# Altium PCB ESC_con.PcbDoc
Units mil, origin at the board's own origin, x right, y up, seen from the top; angles counter-clockwise.
Board outline 4160 x 2500 mil, 2 copper layers (Top Layer, Bottom Layer); 91 components, 105 nets, 433 pads, 134 vias.
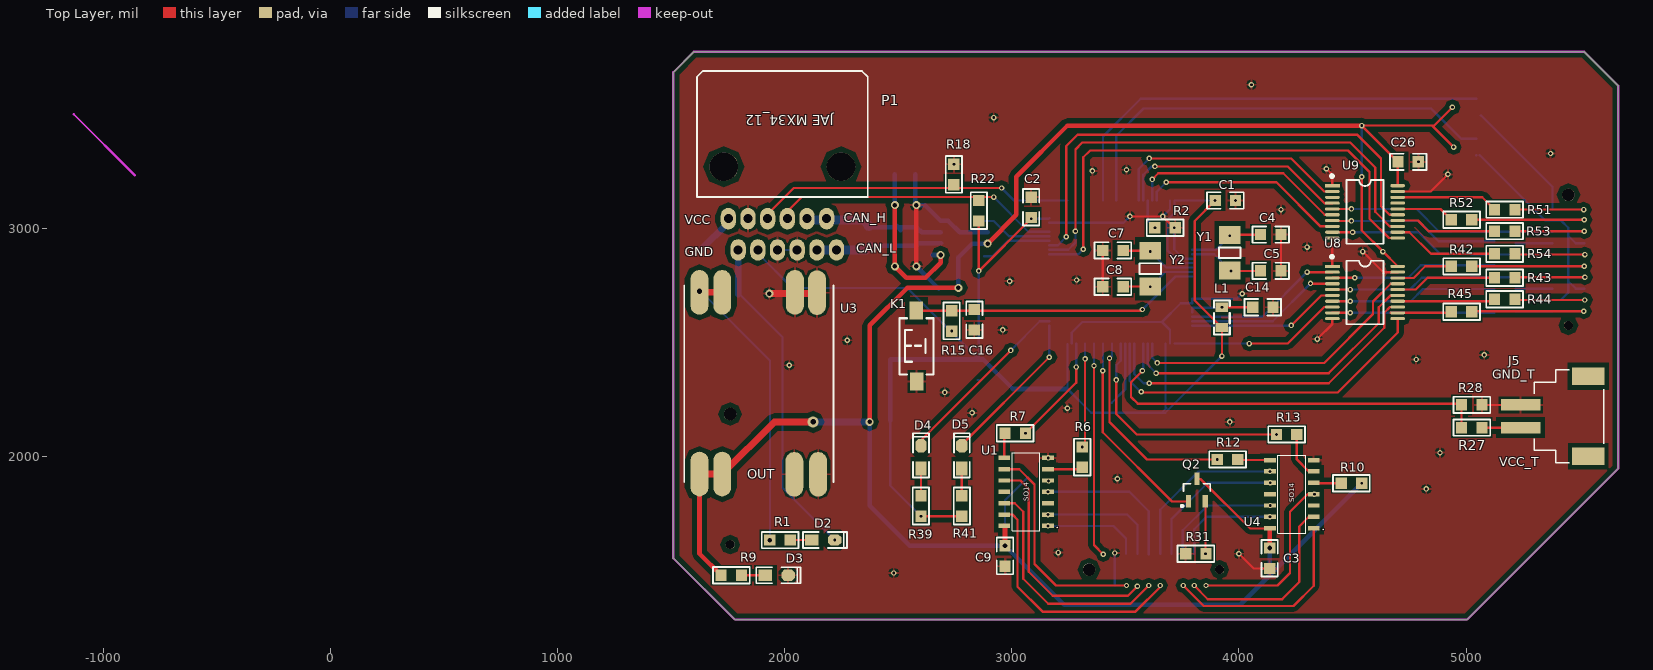
[diagram p0: Top Layer view]
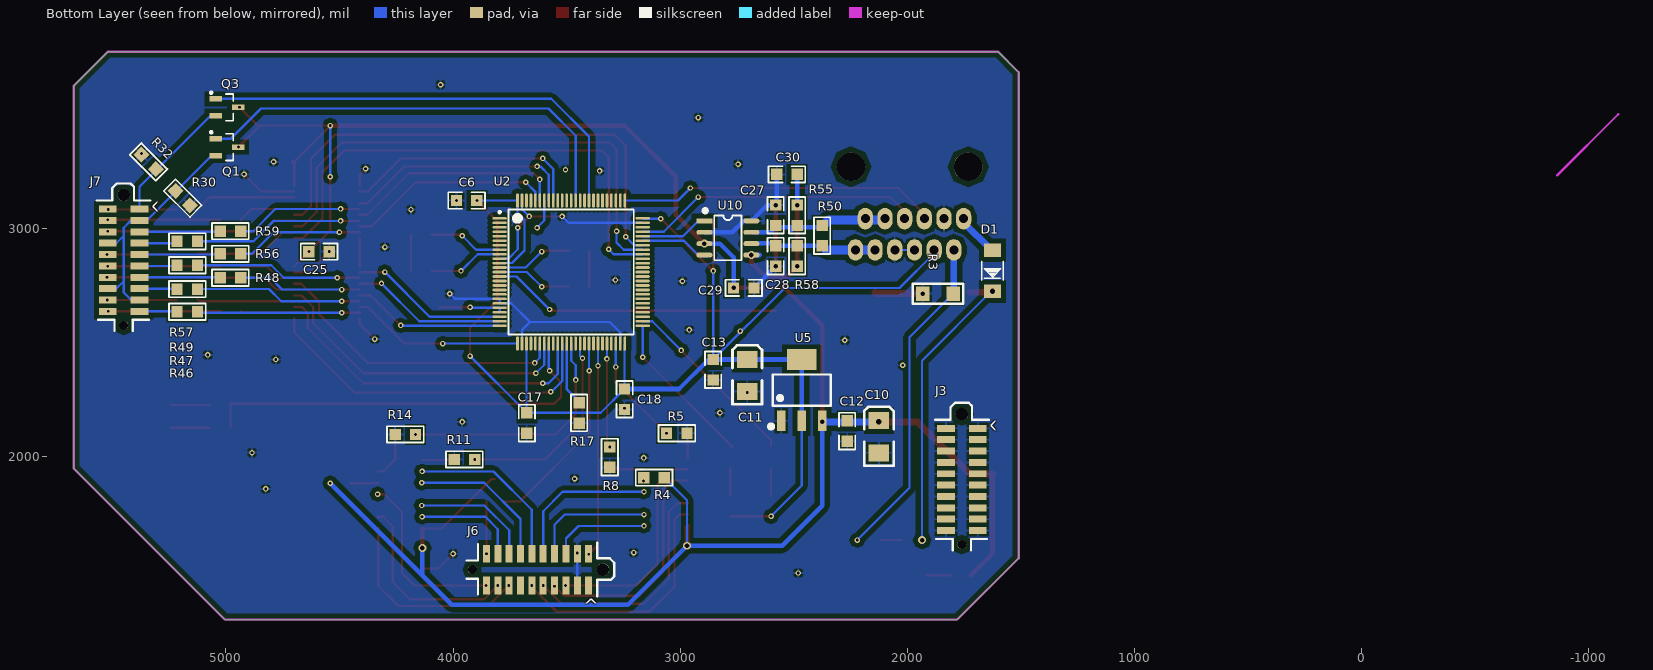
[diagram p1: Bottom Layer view, seen from below]
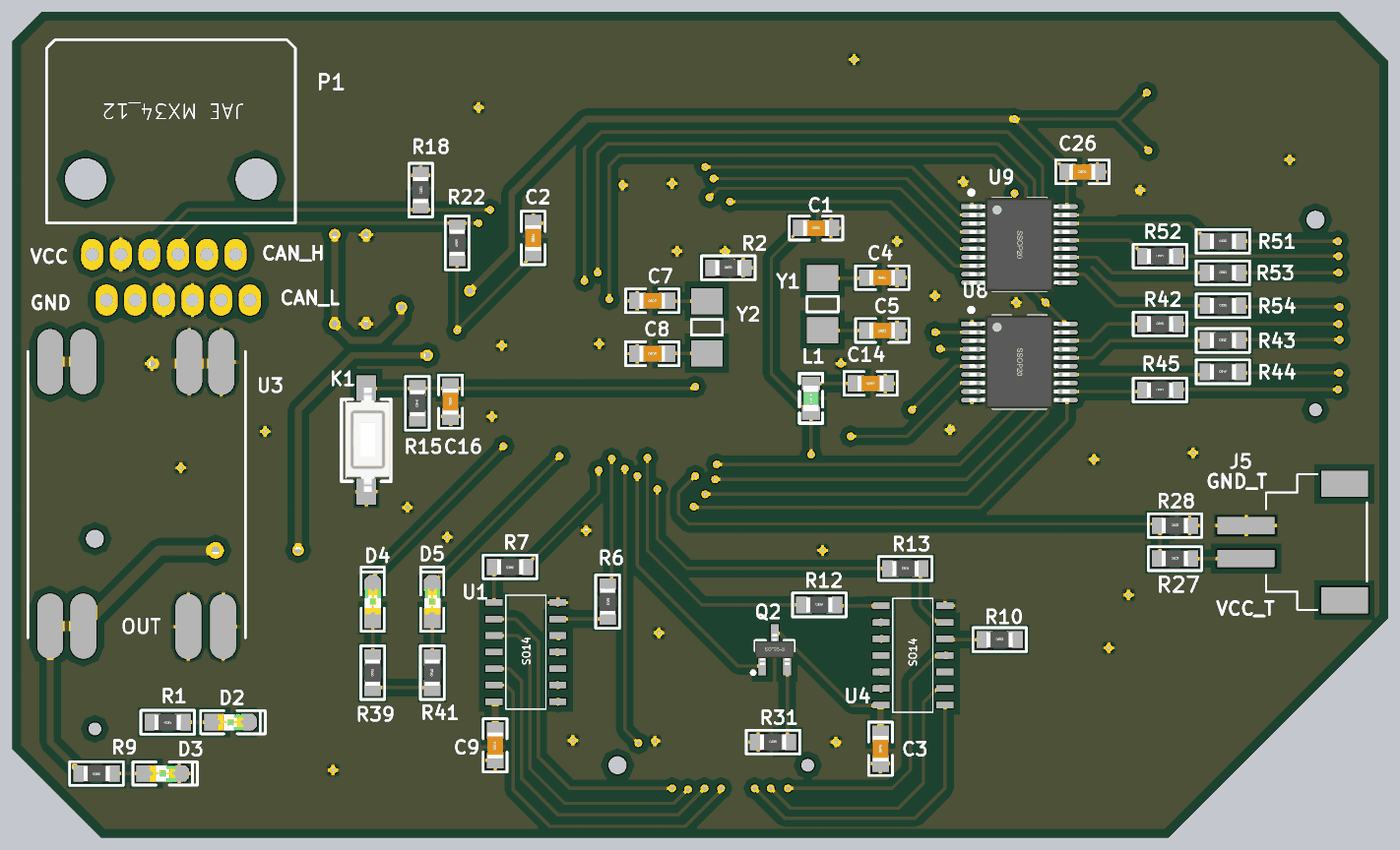
[diagram p2: 3D render of the assembled board from above, using the file's embedded part models]
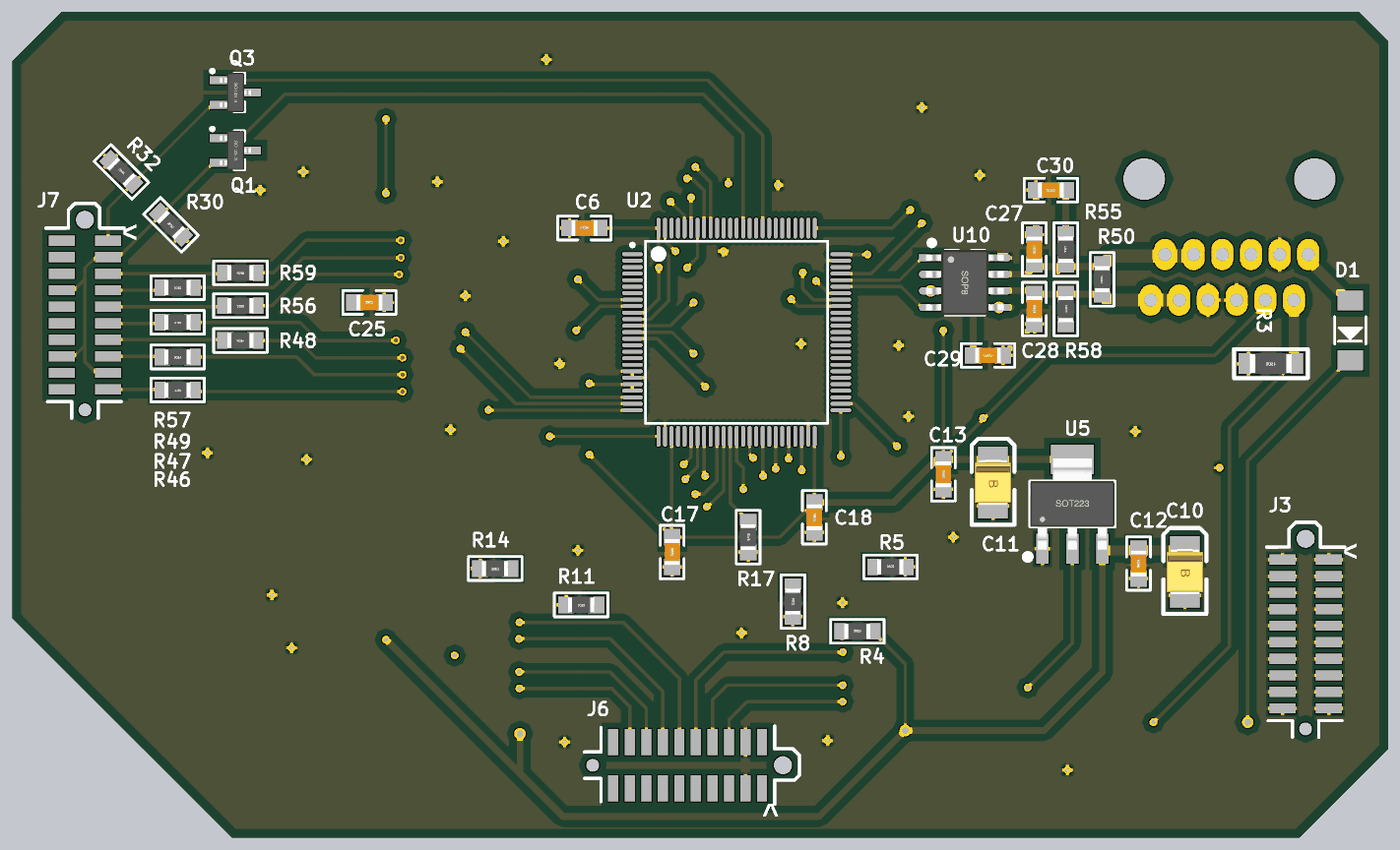
[diagram p3: 3D render of the assembled board from below, using the file's embedded part models]

## Layer stack, top to bottom
Top Layer: signal copper 1.4
Dielectric: dielectric 12.6, FR-4, Dk 4.8
Bottom Layer: signal copper 1.4

## Board outline
1510,1550 1510,3690 1600,3780 5520,3780 5670,3630 5670,1945 5005,1280 1780,1280

## Design rules (kind name [scope] priority, off if disabled: settings)
Clearance [All] p1: gap=6
HoleToHoleClearance [All] p1: gap=2 allowstackedmicrovias=TRUE
MinimumSolderMaskSliver [All] p1: minsoldermaskwidth=2
PolygonConnect [All] p1: connectstyle=Relief reliefconductorwidth=10 reliefentries=4 polygonreliefangle="90 Angle" airgapwidth=10
RoutingVias [All] p1: holewidth=28 width=50 viastyle="Through Hole" minholewidth=0 minwidth=0 maxholewidth=28 maxwidth=50
SilkToSilkClearance [All] p1: silktosilkclearance=2
SilkToSolderMaskClearance [IsPad] p1: minsilkscreentomaskgap=2 clearancetoexposedcopper=TRUE
SolderMaskExpansion [All] p1: expansion=4
Width [All] p1: maxlimit=100 minlimit=10 preferedwidth=10 minimp=50.000000 maximp=50.000000 favimp=50.000000
24 further rules are at their usual default settings.

## Components (designator, comment, footprint, x,y, rotation, side; value= is the part's Value field where it differs from the comment)
C1 "104" "C 0805" 3940,3125 r0 top
C2 "104" "C 0805" 3085,3095 r90 top
C3 "104" "C 0805" 4135,1550 r90 top
C4 "22pf" "C 0805" 4140,2975 r0 top
C5 "22pf" "C 0805" 4140,2815 r180 top
C6 "104" "C 0805" 3940,3125 r180 bottom
C7 "22pf" "C 0805" 3445,2905 r0 top
C8 "22pf" "C 0805" 3445,2745 r0 top
C9 "104" "C 0805" 2970,1560 r90 top
C10 "10uF" "CP 3528B" 2125,2085 r270 bottom
C11 "10uF" "CP 3528B" 2705,2355 r270 bottom
C12 "104" "C 0805" 2265,2110 r90 bottom
C13 "104" "C 0805" 2855,2380 r90 bottom
C14 "104" "C 0805" 4105,2655 r180 top
C16 "104" "C 0805" 2835,2600 r90 top
C17 "104" "C 0805" 3675,2145 r270 bottom
C18 "104" "C 0805" 3245,2250 r270 bottom
C25 "104" "C 0805" 4590,2900 r180 bottom
C26 "104" "C 0805" 4745,3295 r0 top
C27 "47pF" "C 0805" 2580,3060 r270 bottom
C28 "47pF" "C 0805" 2580,2880 r270 bottom
C29 "104" "C 0805" 2720,2740 r180 bottom
C30 "47nF" "C 0805" 2530,3240 r0 bottom
D1 "SS34" DO-214 1625,2815 r270 bottom
D2 "GREEN" LED_0805 2170,1630 r0 top
D3 "GREEN" LED_0805 1965,1475 r0 top
D4 "ORANGE" LED_0805 2600,1995 r90 top
D5 "ORANGE" LED_0805 2780,1995 r90 top
J3 "20P_Female" B2B_1.27_Female 1760,1610 r180 bottom
J5 "XH2.54_2P" XH2.54_2P_SMT 5240,2225 r270 top
J6 "20P_Female" B2B_1.27_Female 3915,1500 r270 bottom
J7 "20P_Female" B2B_1.27_Female 5450,2575 r180 bottom
K1 "Key" "KEY 3.6*2.5 SMD" 2580,2485 r90 top
L1 "100uH" "L 0805" 3925,2610 r90 top
P1 "JAE_MX340_12" JAE_MX34_2.2_12 2185,3045 r270 top
Q1 "Model" SOT23-3 4995,3360 r270 bottom
Q2 "Model" SOT23-3 3815,1850 r0 top
Q3 "Model" SOT23-3 4995,3535 r270 bottom
R1 "3K" "R 0805" 1980,1630 r180 top
R2 "10K" "R 0805" 3675,3005 r0 top
R3 "0" "R 1206" 1865,2715 r0 bottom
R4 "200R" "R 0805" 3115,1905 r180 bottom
R5 "3k" "R 0805" 3015,2100 r180 bottom
R6 "2k" "R 0805" 3310,1995 r270 top
R7 "2k" "R 0805" 3015,2100 r180 top
R8 "3k" "R 0805" 3310,1995 r270 bottom
R9 "3.3k" "R 0805" 1765,1475 r180 top
R10 "200R" "R 0805" 4495,1880 r0 top
R11 "3k" "R 0805" 3950,1985 r0 bottom
R12 "2k" "R 0805" 3950,1985 r0 top
R13 "2k" "R 0805" 4210,2095 r0 top
R14 "3k" "R 0805" 4210,2095 r0 bottom
R15 "10k" "R 0805" 2735,2595 r90 top
R17 "10K" "R 0805" 3445,2190 r270 bottom
R18 "10k" "R 0805" 2745,3240 r270 top
R22 "10k" "R 0805" 2855,3080 r90 top
R27 "9K" "R 0805" 5025,2125 r0 top
R28 "3K" "R 0805" 5025,2225 r0 top
R30 "10k" "R 0805" 5190,3135 r45 bottom
R31 "10k" "R 0805" 3810,1570 r0 top
R32 "10k" "R 0805" 5340,3295 r225 bottom
R39 "2K" "R 0805" 2600,1780 r90 top
R41 "2K" "R 0805" 2780,1780 r90 top
R42 "300R" "R 0805" 4980,2835 r0 top
R43 "300R" "R 0805" 5170,2785 r0 top
R44 "300R" "R 0805" 5170,2690 r0 top
R45 "300R" "R 0805" 4980,2635 r0 top
R46 "300R" "R 0805" 5170,2635 r0 bottom
R47 "300R" "R 0805" 5170,2735 r0 bottom
R48 "300R" "R 0805" 4980,2785 r0 bottom
R49 "300R" "R 0805" 5170,2840 r0 bottom
R50 "120R" "R 0805" 2375,2970 r90 bottom
R51 "300R" "R 0805" 5170,3085 r0 top
R52 "300R" "R 0805" 4980,3040 r0 top
R53 "300R" "R 0805" 5170,2990 r0 top
R54 "300R" "R 0805" 5170,2890 r0 top
R55 "1.3k" "R 0805" 2485,3060 r90 bottom
R56 "300R" "R 0805" 4980,2890 r0 bottom
R57 "300R" "R 0805" 5170,2945 r0 bottom
R58 "1.3k" "R 0805" 2485,2880 r270 bottom
R59 "300R" "R 0805" 4980,2990 r0 bottom
U1 "HC7421D" 74hc74 2935,1670 r90 top
U2 "STM32F103VET6" TQFP100N50P14X14X1.2 3480,2810 r180 bottom
U3 "DM02-XX" DM02 1885,2320 r90 top
U4 "HC7421D" 74hc74 4105,1660 r90 top
U5 "AMS1117-3.3" SOT223 2465,2290 r180 bottom
U8 "74HC244" SSOP20 4555,2720 r0 top
U9 "74HC244" SSOP20 4555,3075 r0 top
U10 "TJA1040T" SOP8 2790,2960 r180 bottom
Y1 "32.76M" XTAL-5032 3960,2895 r90 top
Y2 "8M" XTAL-5032 3610,2825 r90 top

## Footprints (in the part's own frame and the unit in brackets; to place one, negate y for a bottom-side part, rotate by r counter-clockwise, add the part's x,y. Pads: shape width x height; smd on the part's side, far side on the other; paste and mask are expansions set on the pad)
74hc74 [mm] "14脚"
  rect 0.5x1.3 smd: 1(0.565,-5.7) 2(1.835,-5.7) 3(3.105,-5.7) 4(4.375,-5.7) 5(5.645,-5.7) 6(6.915,-5.7) 7(8.185,-5.7) 8(8.185,-0.8) 9(6.915,-0.8) 10(5.645,-0.8) 11(4.375,-0.8) 12(3.105,-0.8) 13(1.835,-0.8) 14(0.565,-0.8)
  silkscreen extent 0,-4.78 8.75,-1.7
B2B_1.27_Female [mm]
  round 1 hole 1 unplated: 0(0,0)
  round 1.4 hole 1.4 unplated: 0(0,14.605)
  rect 2x0.78 smd: 1(1.778,13.005) 2(1.778,11.735) 3(1.778,10.465) 4(1.778,9.195) 5(1.778,7.925) 6(1.778,6.655) 7(1.778,5.385) 8(1.778,4.115) 9(1.778,2.845) 10(1.778,1.575) 11(-1.778,1.575) 12(-1.778,2.845) 13(-1.778,4.115) 14(-1.778,5.385) 15(-1.778,6.655) 16(-1.778,7.925) 17(-1.778,9.195) 18(-1.778,10.465) 19(-1.778,11.735) 20(-1.778,13.005)
  silkscreen extent -3,-0.64 3,15.88
"C 0805" [mil]
  rect 50x50 smd: 1(-45,0) 2(45,0)
  silkscreen extent -81,-36 81,36, body extent -39,-24 39,24, height 20
"CP 3528B" [mil]
  rect 75x90 smd: 1(-70.86,0) 2(70.87,0)
  silkscreen extent -132,-65 128,65, body extent -69,-55 69,55, height 75
DM02 [mm]
  oval 5x2 smd: 1(-10.143,6.604) 2(-10.143,4.064) 3(-10.177,-4.001) 4(-10.177,-6.667) 5(10.143,-6.54) 6(10.177,-4.064) 7(10.177,4.064) 8(10.177,6.604)
  silkscreen extent -11.03,-8.38 10.97,8.32
DO-214 [mil]
  rect 60x76.77 smd: 1(-91.03,0) 2(90.07,0)
  silkscreen extent -42,-47 41,47, body extent -84,-47 83,47, height 118
JAE_MX34_2.2_12 [mm]
  oval 2.4x1.7 hole 1: 1(3.5,-9.9) 2(3.5,-7.7) 3(3.5,-5.5) 4(3.5,-3.3) 5(3.5,-1.1) 6(3.5,1.1) 6(3.5,1.1) 7(0,-11) 8(0,-8.8) 9(0,-6.6) 10(0,-4.4) 11(0,-2.2) 12(0,0) 12(0,0)
  round 3.2 hole 3.2 unplated: 13(-5.8,1.6) 14(-5.8,-11.5)
  silkscreen extent -16.51,-14.5 -2.41,4.6
"KEY 3.6*2.5 SMD" [mm]
  rect 2x1.5 smd: 1(-3.996,-0.02) 2(3.937,0)
  silkscreen extent -3.21,-1.9 3.09,1.9, body extent -4,-1.88 4,1.62, height 2.59
"L 0805" [mil]
  rect 40x55 smd: 1(-45,0) 2(45,0)
  silkscreen extent -75,-35 75,35, body extent -39,-24 39,24, height 35
LED_0805 [mil]
  rect 60x50 smd: 1(-50,0)
  oct 60x50 smd: 2(50,0)
  silkscreen extent -90,-35 105,35, body extent -39,-25 39,25, height 32
"R 0805" [mil]
  rect 50x50 smd: 1(-45,0) 2(45,0)
  silkscreen extent -81,-36 81,36, body extent -39,-25 39,25, height 20
"R 1206" [mil]
  rect 60x62.99 smd: 1(-67.5,0) 2(67.5,0)
  silkscreen extent -111,-44 112,44, body extent -63,-31 63,31, height 22
SOP8 [mm]
  rect 1.8x0.55 smd: 1(-2.625,1.905)
  oval 1.8x0.55 smd: 2(-2.625,0.635) 3(-2.625,-0.635) 4(-2.625,-1.905) 5(2.625,-1.905) 6(2.625,-0.635) 7(2.625,0.635) 8(2.625,1.905)
  silkscreen extent -2.69,-2.5 1.52,3.2, body extent -3,-2.5 3,2.5, height 1.9
SOT23-3 [mm]
  rect 0.6x1.4 smd: 1(-0.95,-1.27) 2(0.95,-1.27) 3(0,1.244)
  silkscreen extent -1.78,-1.9 1.5,0.7, body extent -1.5,-1.2 1.5,1.2, height 1.05
SOT223 [mm]
  rect 0.95x2.3 smd: 1(-2.3,-3.429) 2(0,-3.429) 3(2.3,-3.429)
  rect 3.3x2.3 smd: 2(0,3.429)
  silkscreen extent -3.63,-4.26 3.25,1.75, body extent -3.25,-3.51 3.25,3.51, height 1.65
SSOP20 [mm]
  rect 1.65x0.35 smd: 1(-3.65,2.925)
  oval 1.65x0.35 smd: 2(-3.65,2.275) 3(-3.65,1.625) 4(-3.65,0.975) 5(-3.65,0.325) 6(-3.65,-0.325) 7(-3.65,-0.975) 8(-3.65,-1.625) 9(-3.65,-2.275) 10(-3.65,-2.925) 11(3.65,-2.925) 12(3.65,-2.275) 13(3.65,-1.625) 14(3.65,-0.975) 15(3.65,-0.325) 16(3.65,0.325) 17(3.65,0.975) 18(3.65,1.625) 19(3.65,2.275) 20(3.65,2.925)
  silkscreen extent -3.83,-3.56 2.07,4.13, body extent -3.85,-3.6 3.85,3.6, height 1.65
TQFP100N50P14X14X1.2 [mm] "TQFP, 100-Leads, Body 16.0x16.0mm (max), Pitch 0.50mm, IPC Medium Density"
  oval 1.6x0.3 smd: 1(-8,6) 2(-8,5.5) 3(-8,5) 4(-8,4.5) 5(-8,4) 6(-8,3.5) 7(-8,3) 8(-8,2.5) 9(-8,2) 10(-8,1.5) 11(-8,1) 12(-8,0.5) 13(-8,0) 14(-8,-0.5) 15(-8,-1) 16(-8,-1.5) 17(-8,-2) 18(-8,-2.5) 19(-8,-3) 20(-8,-3.5) 21(-8,-4) 22(-8,-4.5) 23(-8,-5) 24(-8,-5.5) 25(-8,-6) 51(8,-6) 52(8,-5.5) 53(8,-5) 54(8,-4.5) 55(8,-4) 56(8,-3.5) 57(8,-3) 58(8,-2.5) 59(8,-2) 60(8,-1.5) 61(8,-1) 62(8,-0.5) 63(8,0) 64(8,0.5) 65(8,1) 66(8,1.5) 67(8,2) 68(8,2.5) 69(8,3) 70(8,3.5) 71(8,4) 72(8,4.5) 73(8,5) 74(8,5.5) 75(8,6)
  oval 0.3x1.6 smd: 26(-6,-8) 27(-5.5,-8) 28(-5,-8) 29(-4.5,-8) 30(-4,-8) 31(-3.5,-8) 32(-3,-8) 33(-2.5,-8) 34(-2,-8) 35(-1.5,-8) 36(-1,-8) 37(-0.5,-8) 38(0,-8) 39(0.5,-8) 40(1,-8) 41(1.5,-8) 42(2,-8) 43(2.5,-8) 44(3,-8) 45(3.5,-8) 46(4,-8) 47(4.5,-8) 48(5,-8) 49(5.5,-8) 50(6,-8) 76(6,8) 77(5.5,8) 78(5,8) 79(4.5,8) 80(4,8) 81(3.5,8) 82(3,8) 83(2.5,8) 84(2,8) 85(1.5,8) 86(1,8) 87(0.5,8) 88(0,8) 89(-0.5,8) 90(-1,8) 91(-1.5,8) 92(-2,8) 93(-2.5,8) 94(-3,8) 95(-3.5,8) 96(-4,8) 97(-4.5,8) 98(-5,8) 99(-5.5,8) 100(-6,8)
  silkscreen extent -8.13,-7 7,7, body extent -7,-7 7,7, height 1.2
XH2.54_2P_SMT [mm]
  rect 1.3x4.4 smd mask+0.152: 1(0,0) 2(2.54,0)
  rect 2x3.6 smd mask+0.152: 3(5.74,7.554)
  rect 2x3.6 smd: 4(-3.2,7.554)
  silkscreen extent -3.94,1.52 6.48,9.27
XTAL-5032 [mm]
  rect 2x2.4 smd: 1(-2,0) 2(2,0)
  silkscreen extent -0.6,-1.2 0.6,1.2, body extent -2.6,-1.7 2.6,1.7, height 3.4

## Part data
C1 C2 C3 C4 C5 C6 C7 C8 C9 C12 C13 C14 C16 C17 C18 C25 C26 C27 C28 C29 C30: library part Cap, "无极性电容"
C10 C11: library part Cap_Pol, "极性电容"
D1: library part Diode, "二极管"
D2 D3 D4 D5: library part LED, "发光二极管"
J3 J6 J7: library part B2B_1.27_Female, "板对板连接器 母头"
K1: "按键"
L1: library part Inductor, "电感"
P1: library part JAE_MX34012NF1
Q1 Q2 Q3: library part MOSFET_N, "N沟道MOS管"
R1 R2 R3 R4 R5 R6 R7 R8 R9 R10 R11 R12 R13 R14 R15 R17 R18 R22 R27 R28 R30 R31 R32 R39 R41 R42 R43 R44 R45 R46 R47 R48 R49 R50 R51 R52 R53 R54 R55 R56 R57 R58 R59: library part Resistor, "电阻"
U2: library part STM32F103RBT6
U3: library part DM02, "开关型DC-DC变换器"
U5: library part AMS1117, "线性稳压器"
U8 U9: "CMOS工艺8通道缓冲器"
U10: "高速CAN收发器"
Y1 Y2: library part XTAL, "晶振"

## Via types
v1: diameter 24, hole 12, Top Layer to Bottom Layer, 120 vias
v2: diameter 35, hole 20, Top Layer to Bottom Layer, 12 vias
v3: diameter 50, hole 24, Top Layer to Bottom Layer, 2 vias

## Nets (pads, with @x,y where several pads share a name; then routed paths per layer and width w, separated by ;. In a path a pad name is that pad's centre, name@x,y a point inside that pad or via, vN(x,y) a via of type N, cw(c..) or ccw(c..) an arc to the next point about the centre after c; other vN are vias at no path point)
ANL_REF: C14.2 L1.2 U2.21 U2.22 | length 289.3
  Top Layer w10: v1(3925,2655) C14.2
  Bottom Layer w10: U2.22 U2.21 3920,2652.52 3920,2650 v1(3925,2655)
CAN_H: C27.2 P1.11 P1.12 R50.2 R55.1 U10.7 | length 667.1
  Bottom Layer w20: R50.2 2381.83,3008.17 2580,3008.17 2603.17,2985 U10.7 ; R55.1@2485,3010 R55.1@2500,3010 ; R55.1@2486.83,3018.17 2510,2995
  Bottom Layer w40: P1.11@2098.39,3060 2118.39,3040 2345,3040 2370,3015 R50.2@2370,3010
CAN_IN_L: C28.1 P1.5 P1.6 R50.1 R58.1 U10.6 | length 558.8
  Bottom Layer w20: R50.1 R58.1 C28.1 2591.67,2936.67 U10.6@2688.33,2936.67
  Bottom Layer w40: P1.5@2136.69,2907.2 P1.5 P1.6@2223.31,2907.2 ; P1.6@2228.31,2907.2 2357.2,2907.2 R50.1
CAN_RX: U2.70 U10.4 | length 314.8
  Bottom Layer w10: U10.4@2878.35,2880 2915,2880 2982.8,2947.8 U2.70
CAN_TX: U2.71 U10.1 | length 313
  Bottom Layer w10: U10.1@2880,3035 2920,3035 2987.52,2967.48 U2.71
DR1_STA: R11.1 R12.1 U2.40 | length 892.8
  Top Layer w10: v1(3430,2430) 3430,2150 3595,1985 v1(3905,1985)
  Bottom Layer w10: v1(3430,2430) 3440.63,2440.63 U2.40
DR2_STA: R6.1 R8.1 U2.46 | length 460.2
  Top Layer w10: v1(3310,2040) 3322.52,2052.52 v1(3322.52,2427.48)
  Bottom Layer w10: v1(3322.52,2427.48) U2.46
DR3_STA: R13.1 R14.1 U2.38 | length 1060.6
  Top Layer w10: v1(3460,2335) 3460,2185 3550,2095 v1(4165,2095)
  Bottom Layer w10: v1(3460,2335) 3460,2400 3480,2420 U2.38
DR4_STA: R5.1 R7.1 U2.48 | length 487.5
  Top Layer w10: v1(3060,2100) 3283.15,2323.15 v1(3283.15,2391.85)
  Bottom Layer w10: v1(3283.15,2391.85) U2.48
GND: D2.2 P1.1 R3.1 | length 1454.5
  Bottom Layer w10: R3.1 1990,2522.5 1990,1860 v1(2220,1630)
  Bottom Layer w30: R3.1@1795.24,2712.74 P1.1
GND_D: C1.2 C2.2 C3.1 C4.2 C5.1 C6.1 C7.1 C8.1 C9.1 C10.2 C11.2 C12.1 C13.1 C14.1 C16.1 C17.2 C18.2 C25.2 C26.2 C27.1 C28.2 C29.2 C30.2 D3.2 J3.1 J3.2 J3.3 J3.4 J3.5 J3.6 J3.7 J3.8 J3.9 J3.10 J3.11 J3.12 J3.13 J3.14 J3.15 J3.16 J3.17 J3.18 J3.19 J3.20 J5.1 J6.2 J6.19 K1.1 P1.3 P1.4 P1.8 R2.2 R3.2 R5.2 R8.2 R11.2 R14.2 R17.2 R18.1 R28.2 R30.1 R31.1 R32.1 U1.7 U2.10 U2.19 U2.20 U2.27 U2.49 U2.74 U2.99 U3.3 U3.4 U3.5 U3.6 U4.7 U5.1 U8.1 U8.10 U8.19 U9.1 U9.10 U9.19 U10.2 U10.8 | length 4645.1
  Top Layer w10: U1.7 v1(3160,1991.65) ; C8.1 C7.1 ; v1(3520,3055) v1(3665,3055) ; v1@3660,3055 v1(3665,3055) ; R2.2@3710,3005 3710,3010 v1(3665,3055) ; v1(4000,1570) 4065,1505 C3.1 ; C5.1 C4.2 ; v1(4345,2515) 4411.3,2581.3 U8.10 ; v1(4385,3265) 4411.3,3238.7 U9.1 ; U8.1 U9.10 ; v1(4545,2900) 4635.43,2809.57 U8.19 ; U9.19 4844.57,3164.57 v1(4920,3240) ; R28.2 J5.1
  Top Layer w20: v2(2580,2835) v2(2580,3105)
  Top Layer w30: v2(1932.5,2715) 2138.18,2715 U3.5
  Bottom Layer w10: P1.3 P1.4 ; v1(2705,2280) C11.2 ; C13.1@2850,2335 C13.1 ; U2.74 3491.54,3026.54 v1(3520,3055) ; C18.2 v1(3245,2210) ; U2.49 3263.46,2543.46 3310,2590 3661.54,2590 ; J6.2 J6.19 v1(3453,1573) ; v1(3665,3055) 3696.54,3086.54 U2.99 ; U2.27 3696.54,2555 3661.54,2590 ; v1(3715,3005) 3715,2910 3755.94,2869.06 U2.10 ; v1(4015,2715) 3991.89,2691.89 U2.19 U2.20 3743.74,2672.2 3661.54,2590 ; R32.1 v1(5371.82,3331.82)
  Bottom Layer w20: C30.2 2575,3110 v2(2580,3105) 2616.65,3105 U10.8 2720,3035 2770,2985 U10.2 ; v2(2580,2835) C29.2@2677.5,2737.5
  other v1: 2480,1485 3205,1575 4825,1855 3465,1900 4885,2015 3960,2150 2825,2190 2020,2400 4780,2425 5080,2445 2275,2510 2960,2555 2990,2770 3285,2775 4300,2920 4185,3085 3985,3125 3355,3255 3505,3260 2745,3285 4790,3295 2920,3490 4055,3635
L9348: J7.2 J7.9 J7.13 J7.17 Q1.2 R30.2 | length 1061.7
  Bottom Layer w10: Q1.2 Q1.2@5045,3325 ; Q1.2@5058.8,3323.8 5061.2,3323.8 5348,3037 J7.2 5418,3037 5450,3005 5450,2770 ; J7.9 5417,2687 5450,2720 5450,2770 ; 5450,2970 5483,2937 J7.17 ; J7.13 5483,2737 5450,2770
L9348_EN: Q1.1 U2.87 | length 1974.5
  Bottom Layer w10: U2.87 3460.31,3410.31 3580,3530 4845,3530 4977.6,3397.4 Q1.1
LBI: U2.25 U8.6 | length 669.9
  Top Layer w10: v1(4230,2575) 4362.21,2707.21 U8.6
  Bottom Layer w10: U2.25 v1@4228.78,2573.78
LBI_PWM: J7.12 R44.2 | length 306
  Top Layer w10: R44.2@5218,2687 v1(5522,2687)
  Bottom Layer w10: J7.12 v1(5522,2687)
LBI_STA: J6.6 U1.13 | length 1088
  Top Layer w10: U1.13 3002.76,1742.24 3025,1720 3025,1425 3135,1315 3545,1315 3653,1423 v1(3653,1430)
LBO: U2.35 U8.13 | length 1488.3
  Top Layer w10: v1(3605,2320) 4395,2320 4640,2565 4640,2630 ; 4639.51,2630.49 4665.05,2656.03 U8.13
  Bottom Layer w10: U2.35 3539.05,2360.95 3580,2320 v1(3605,2320)
LBO_PWM: J7.8 R47.2 | length 162
  Bottom Layer w10: R47.2@5218,2737 J7.8
LBO_STA: J6.16 U1.4 | length 667.9
  Bottom Layer w10: v1(3159.41,1842.24) 3517.76,1842.24 3603,1757 J6.16 J6.16@3603,1568
LED1: D4.2 U2.52 | length 806.9
  Top Layer w10: D4.2 2600,2070 v1(2995,2465)
  Bottom Layer w10: v1(2995,2465) 3123.46,2593.46 U2.52
LED2: D5.2 U2.51 | length 702.4
  Top Layer w10: D5.2@2770,2040 v1(3165,2435) ; D5.2 D5.2@2780,2050
  Bottom Layer w10: v1(3165,2435) U2.51
LFI: U2.95 U9.6 | length 973.3
  Top Layer w10: v1(3617.8,3217.8) 3645,3245 4195,3245 4377.79,3062.21 U9.6
  Bottom Layer w10: U2.95 v1(3617.8,3217.8)
LFI_PWM: J7.18 R53.2 | length 308
  Top Layer w10: R53.2 v1(5520,2990)
  Bottom Layer w10: J7.18 v1(5520,2990)
LFI_STA: J6.10 U4.4 | length 804
  Top Layer w10: v1(3855,1430) 4170,1430 4225,1485 4225,1755 4302.24,1832.24 U4.4 v1(4332.24,1832.24)
  Bottom Layer w10: J6.10 v1(3855,1430)
LFO: U2.69 U9.15 | length 2238.8
  Top Layer w10: v1(3240,2965) 3240,3365 3290,3415 4520,3415 4625,3310 4625,3100 4662.79,3062.21 U9.15
  Bottom Layer w10: U2.69 3203.11,2928.11 v1(3240,2965)
LFO_PWM: J7.5 R56.2 | length 357
  Bottom Layer w10: R56.2@5023,2887 J7.5
LFO_STA: J6.12 U4.13 | length 464
  Bottom Layer w10: J6.12 3803,1678 3857.24,1732.24 v1(4136.5,1732.24)
LSTB1: U2.67 U9.11 | length 2239.5
  Top Layer w10: v1(3315,2910) 3315,3315 3345,3345 4480,3345 4575,3250 4575,3045 4660.15,2959.85 U9.11
  Bottom Layer w10: U2.67 3293.74,2888.74 v1(3315,2910)
LSTB1_PWM: J7.3 R59.2 | length 358
  Bottom Layer w10: R59.2@5022,2987 J7.3
LSTB1_STA: J6.13 U4.12 | length 533.2
  Top Layer w10: U4.12 v1(4137.24,1782.24)
  Bottom Layer w10: J6.13 3753,1673 3862.24,1782.24 v1(4137.24,1782.24)
LSTB2: U2.31 U8.17 | length 1329.8
  Top Layer w10: v1(3640,2410) 4375,2410 4590,2625 4590,2680.64 4667.75,2758.39 U8.17
  Bottom Layer w10: U2.31 3617.8,2432.2 v1(3640,2410)
LSTB2_PWM: J7.6 R49.2 | length 163
  Bottom Layer w10: R49.2@5217,2837 J7.6
LSTB2_STA: J6.14 U4.10 | length 655
  Top Layer w10: U4.10 v1(4137.76,1882.24)
  Bottom Layer w10: J6.14 3703,1723 3862.24,1882.24 v1(4137.76,1882.24)
LTC: U2.93 U9.4 | length 1028.4
  Top Layer w10: v1(3630,3275) 4215,3275 4376.61,3113.39 U9.4
  Bottom Layer w10: U2.93 3578.43,3238.43 3615,3275 v1(3630,3275)
LTC_PWM: J7.19 R52.2 | length 498
  Top Layer w10: R52.2 v1(5520,3040)
  Bottom Layer w10: J7.19 v1(5520,3040)
LTC_STA: J6.9 U4.2 | length 844.8
  Top Layer w10: v1(3803,1430) 3863,1370 4190,1370 4265,1445 4265,1690 4307.24,1732.24 U4.2
NetC4_1: C4.1 U2.8 Y1.2 | length 326.1
  Top Layer w10: Y1.2 4093.74,2973.74 C4.1
  Bottom Layer w10: U2.8 3898.43,2908.43 v1(3960,2970)
NetC5_2: C5.2 U2.9 Y1.1 | length 336.1
  Top Layer w10: Y1.1 3961.26,2815 v1(3965,2815) C5.2
  Bottom Layer w10: U2.9 3891.26,2888.74 v1(3965,2815)
NetC7_2: C7.2 U2.12 Y2.2 | length 334.1
  Top Layer w10: C7.2@3490,2903.74 Y2.2
  Bottom Layer w10: v1(3610,2900) 3680.32,2829.68 U2.12
NetC8_2: C8.2 U2.13 Y2.1 | length 331.9
  Top Layer w10: C8.2@3490,2746.26 Y2.1
  Bottom Layer w10: v1(3610,2745) 3675,2810 U2.13
NetC30_1: C30.1 R55.2 R58.2 U10.5 | length 725
  Top Layer w20: v2(2485,3105) v2(2485,2835) 2535,2785 2620,2785 2686.65,2851.65 v2(2686.65,2885)
  Bottom Layer w20: v2(2485,3105) C30.1 ; 2650,2885 v2(2686.65,2885)
NetD2_1: D2.1 R1.1 | length 95
  Top Layer w10: R1.1 D2.1
NetD3_1: D3.1 R9.1 | length 105
  Top Layer w10: R9.1 D3.1
NetD4_1: D4.1 R39.2 | length 120
  Top Layer w10: R39.2 D4.1
NetD5_1: D5.1 R41.2 | length 115
  Top Layer w10: R41.2@2780,1830 D5.1
NetR2_1: R2.1 U2.94 | length 131.1
  Bottom Layer w10: U2.94 3598.11,3036.89 3625,3010 v1@3630,3010
  other v1: 3630,3005
NetR4_1: R4.1 U1.5 | length 3.2
  Top Layer w10: U1.5 v1(3161.65,1890)
NetR6_2: R6.2 U1.6 | length 160.6
  Top Layer w10: U1.6 R6.2@3320,1942.24
NetR7_2: R7.2 U1.8 | length 109.2
  Top Layer w10: U1.8 2966.5,2096.5 R7.2
NetR10_1: R10.1 U4.5 | length 121.5
  Top Layer w10: U4.5 4331.65,1880 R10.1
NetR12_2: R12.2 U4.8 | length 142.6
  Top Layer w10: R12.2 3997.76,1982.24 U4.8
NetR13_2: R13.2 U4.6 | length 206.3
  Top Layer w10: R13.2 4255,1985 4307.76,1932.24 U4.6
NetR17_1: R17.1 U2.37 | length 285.2
  Bottom Layer w10: R17.1@3440,2235 3500,2295 ; 3499.68,2294.68 U2.37
NetR42_1: R42.1 U8.18 | length 257.4
  Top Layer w10: U8.18 4768.98,2783.98 4820,2835 R42.1
NetR43_1: R43.1 U8.16 | length 447.9
  Top Layer w10: U8.16 4777.8,2732.8 4830,2785 R43.1
NetR44_1: R44.1 U8.14 | length 429.8
  Top Layer w10: U8.14 5116.62,2681.62 R44.1
NetR45_1: R45.1 U8.12 | length 269.1
  Top Layer w10: U8.12@4667.75,2630.44 U8.12 4925.44,2630.44 4930,2635 R45.1
NetR46_1: R46.1 U8.9 | length 713.7
  Top Layer w10: U8.9 v1(4490,2630.44)
  Bottom Layer w10: v1(4490,2630.44) R46.1@5125,2630.44
NetR47_1: R47.1 U8.7 | length 738.1
  Top Layer w10: U8.7@4412.92,2680 U8.7 v1(4490,2681.62)
  Bottom Layer w10: v1(4490,2681.62) 4756.62,2681.62 4810,2735 R47.1
NetR48_1: R48.1 U8.5 | length 548.4
  Top Layer w10: U8.5@4413.5,2735 U8.5 v1(4490,2732.8)
  Bottom Layer w10: v1(4490,2732.8) 4752.8,2732.8 4805,2785 R48.1
NetR49_1: R49.1 U8.3 | length 736.9
  Top Layer w10: U8.3 4412.32,2785 v1(4510,2785)
  Bottom Layer w10: v1(4510,2785) 4745,2785 4800,2840 R49.1
NetR51_1: R51.1 U9.18 | length 448.7
  Top Layer w10: U9.18 5071.02,3138.98 R51.1
NetR52_1: R52.1 U9.16 | length 256.1
  Top Layer w10: U9.16 4887.2,3087.8 R52.1
NetR53_1: R53.1 U9.14 | length 445.6
  Top Layer w10: U9.14 4788.38,3036.62 4835,2990 R53.1
NetR54_1: R54.1 U9.12 | length 465.8
  Top Layer w10: U9.12 4749.56,2985.44 4845,2890 R54.1
NetR56_1: R56.1 U9.9 | length 563.2
  Top Layer w10: U9.9 4411.74,2985 v1(4500,2985)
  Bottom Layer w10: v1(4500,2985) 4790,2985 4885,2890 R56.1
NetR57_1: R57.1 U9.7 | length 751.6
  Top Layer w10: U9.7 4412.92,3035 v1(4495,3035)
  Bottom Layer w10: v1(4495,3035) 4790,3035 4880,2945 R57.1
NetR59_1: R59.1 U9.5 | length 564.2
  Top Layer w10: U9.5 v1(4495,3087.8)
  Bottom Layer w10: v1(4495,3087.8) 4782.2,3087.8 4880,2990 R59.1
PUMP: U2.92 U9.2 | length 1070.7
  Top Layer w10: v1(3605,3310) 4230,3310 4375.43,3164.57 U9.2
  Bottom Layer w10: U2.92 3558.74,3263.74 v1(3605,3310)
PUMP_EN: J7.1 Q3.2 R32.2 | length 544.2
  Bottom Layer w10: Q3.2@5063.8,3498.8 5066.2,3498.8 5380,3185 J7.1
PUMP_PWM: J7.20 R51.2 | length 305.8
  Top Layer w10: R51.2 v1(5518,3085)
  Bottom Layer w10: v1(5518,3085) J7.20
RBI: U2.96 U9.8 | length 909.3
  Top Layer w10: v1(3680,3205) 4165,3205 4358.97,3011.03 U9.8
  Bottom Layer w10: U2.96 3637.48,3162.48 v1(3680,3205)
RBI_PWM: J7.16 R54.2 | length 309
  Top Layer w10: R54.2@5217,2887 v1(5523,2887)
  Bottom Layer w10: J7.16 v1(5523,2887)
RBI_STA: J6.8 U4.1 | length 903.6
  Top Layer w10: v1(3755,1430) 3845,1340 4240,1340 4329.41,1429.41 U4.1
  Bottom Layer w10: J6.8 v1(3755,1430)
RBO: U2.68 U9.13 | length 2236.2
  Top Layer w10: v1(3280,2990) 3280,3350 3310,3380 4490,3380 4600,3270 4600,3075 4663.97,3011.03 U9.13
  Bottom Layer w10: U2.68 3248.43,2908.43 3280,2940 v1(3280,2990)
RBO_PWM: J7.4 R57.2 | length 162
  Bottom Layer w10: R57.2@5218,2937 J7.4
RBO_STA: J6.15 U4.9 | length 749.8
  Top Layer w10: U4.9@4134.25,1930 v1(4136.5,1932.24)
  Bottom Layer w10: J6.15 3653,1763 3822.24,1932.24 v1(4136.5,1932.24)
RESET: C16.2 K1.2 R15.2 U2.14 | length 1277.2
  Top Layer w10: K1.2 3570,2640 v1(3575,2645)
  Bottom Layer w10: v1(3575,2645) 3720.31,2790.31 U2.14
RFI: U2.24 U8.4 | length 686
  Top Layer w10: v1(4315,2760) 4316.61,2758.39 U8.4
  Bottom Layer w10: U2.24 4148.46,2593.46 v1(4315,2760)
RFI_PWM: J7.14 R43.2 | length 309
  Top Layer w10: R43.2@5217,2787 v1(5523,2787)
  Bottom Layer w10: J7.14 v1(5523,2787)
RFI_STA: J6.3 U1.9 | length 957.7
  Top Layer w10: U1.9 3032.76,1942.24 3100,1875 3100,1525 3195,1430 v1(3505,1430)
  Bottom Layer w10: J6.3 v1(3505,1430)
RFO: U2.26 U8.8 | length 761.8
  Top Layer w10: v1(4045,2495) 4215,2495 4376.03,2656.03 U8.8
  Bottom Layer w10: U2.26 4024.96,2495.04 4025,2495 v1(4045,2495)
RFO_PWM: J7.11 R45.2 | length 497
  Top Layer w10: R45.2@5023,2637 v1(5518,2637)
  Bottom Layer w10: v1(5518,2637) J7.11
RFO_STA: J6.5 U1.12 | length 1025.6
  Top Layer w10: U1.12 3012.76,1792.24 3050,1755 3050,1460 3160,1350 3523,1350 v1(3603,1430)
RSTB1: U2.32 U8.15 | length 1393.8
  Top Layer w10: v1(3635,2365) 4395,2365 4615,2585 4615,2655 4667.21,2707.21 U8.15
  Bottom Layer w10: U2.32 3598.11,2401.89 3631.56,2368.44 v1@3631.56,2361.56
RSTB1_PWM: J7.7 R48.2 | length 357
  Bottom Layer w10: R48.2@5023,2787 J7.7
RSTB1_STA: J6.17 U1.2 | length 539.3
  Bottom Layer w10: v1(3159.41,1742.24) 3507.76,1742.24 3553,1697 J6.17
RSTB2: U2.36 U8.11 | length 1540.1
  Top Layer w10: v1(3570,2282.5) 3570,2280 4435,2280 4698.7,2543.7 U8.11
  Bottom Layer w10: U2.36 3519.37,2330.63 3570,2280 v1(3570,2282.5)
RSTB2_PWM: J7.10 R46.2 | length 162
  Bottom Layer w10: R46.2@5218,2637 J7.10
RSTB2_STA: J6.18 U1.1 | length 433.5
  Bottom Layer w10: v1(3159.41,1692.24) 3447.76,1692.24 3503,1637 J6.18
RTC: U2.23 U8.2 | length 697.9
  Top Layer w10: v1@4300,2809.57 U8.2
  Bottom Layer w10: U2.23 4103.15,2613.15 v1(4300,2810)
RTC_PWM: J7.15 R42.2 | length 497
  Top Layer w10: R42.2 v1(5520,2835)
  Bottom Layer w10: v1(5520,2835) J7.15
RTC_STA: J6.4 U1.10 | length 1030.8
  Top Layer w10: U1.10 3037.76,1892.24 3075,1855 3075,1490 3180,1385 3511,1385 v1(3553,1427)
  Bottom Layer w10: v1(3553,1427) J6.4
SERVO_EN: Q3.1 U2.84 | length 1993.9
  Bottom Layer w10: U2.84 3401.26,3406.26 3567.4,3572.4 Q3.1
SWCLK: P1.9 R18.2 U2.76 | length 1409.1
  Top Layer w10: P1.9 1925.16,3065.16 2040,3180 v1(2955,3180)
  Bottom Layer w10: v1(2955,3180) 3010.04,3124.96 U2.76
SWIO: P1.10 R22.2 U2.72 | length 1274.5
  Top Layer w10: P1.10 2011.77,3076.77 2075,3140 v1(2920,3140)
  Bottom Layer w10: v1(2920,3140) 3072.83,2987.17 U2.72
VALVE_EN: Q2.1 U2.42 | length 894.5
  Top Layer w10: v1(3400,2375) 3400,2105 3705,1800 Q2.1
  Bottom Layer w10: v1(3400,2375) 3401.26,2376.26 U2.42
VALVES+: J6.20 U2.44 | length 950.7
  Top Layer w10: v1@3360,2395 v1(3361.89,2396.89) 3361.89,1608.11 v1(3403,1567)
  Bottom Layer w10: v1(3361.89,2396.89) U2.44 ; v1(3403,1567) J6.20
VALVES_EN: J6.11 Q2.2 R31.2 | length 230.2
  Top Layer w10: Q2.2 3853,1799.4 v1(3853,1570)
VCC: D1.2 R1.2 U3.7 U3.8 | length 1331.3
  Top Layer w30: U3.8 U3.7
  Bottom Layer w10: v3(1625,2724.93) 1630.07,2724.93 1935,2420 v2@1935,1625
  other v2: 1935,1630
VCC_3V3: C1.1 C2.1 C6.2 C11.1 C13.2 C17.1 C18.1 L1.1 P1.2 R15.1 R22.1 R39.1 R41.1 U2.11 U2.28 U2.50 U2.75 U2.100 U5.2 | length 6603.7
  Top Layer w10: R39.1@2605,1735 R41.1 ; R22.1@2850,3035 2855,3030 v1(2855,2815) v1(3085,3045) ; v1(3895,3125) 3805,3035 3805,2685 L1.1 v1(3925,2440)
  Bottom Layer w10: P1.2 1881.85,2893.15 2035,2740 2540,2740 C13.2 v1(2855,2815) ; U5.2@2465,2155 2465,1870 v1(2600,1735) ; v1(3085,3045) 3163.82,3045 U2.75 ; U2.50@3245,2491.6 C18.1 3350,2190 C17.1@3660,2190 ; U2.28 3676.85,2213.15 3680,2210 C17.1@3660,2190 ; U2.11 3740.63,2849.37 3685,2905 3685,3040 3716.22,3071.22 U2.100 v1(3895,3125) v1(3895,3125) ; v1(3925,2440) C17.1 C17.1@3660,2190
  Bottom Layer w20: U5.2@2465,2155 2465,2425 C13.2 2875,2425 3005,2295 C18.1@3240,2295
  other v1: 2735,2550
VCC_5V: C3.2 C9.2 C10.1 C12.2 C25.1 C26.1 C29.1 Q1.3 Q2.3 Q3.3 R4.2 R9.2 R10.2 U1.14 U3.1 U3.2 U4.14 U5.3 U8.20 U9.20 U10.3 | length 10046.6
  Top Layer w10: Q2.3 3831.03,1898.97 4049.25,1680.75 U4.14@4135,1680.75 ; v1(4540,3230) 4540,2993.86 v1(4633.86,2900) U8.20 ; U9.20 4698.7,3288.7 C26.1@4702.5,3292.5 ; C26.1 v1(4540,3455) 4850,3455 ; v1(4940,3535) 4860,3455 4850,3455 ; v1(4945,3360) 4850,3455
  Top Layer w20: U3.1 1625,1570 R9.2 ; v2(2374.45,2150.55) 2375,2150 2375,2575 2540,2740 v2(2765,2740) ; v2(2893.35,2935) 3020,3061.65 3020,3230 3245,3455 v1(4540,3455) ; U1.14 2970,1688.74 v2(2970,1605) ; v2(4135,1595) U4.14@4135,1680.75 ; C26.1 C26.1@4702.5,3292.5
  Top Layer w30: U3.1 U3.2 1954.31,2150 v3(2125,2150)
  Bottom Layer w10: v2(2970,1605) 2970,1805 R4.2 ; v1(4540,3230) v1(4540,3455)
  Bottom Layer w20: U5.3 v2(2374.45,2150.55) 2374.45,1780.55 2550,1605 v2(2970,1605) 3230,1345 4005,1345 4135,1475 ; v2(2765,2740) 2765,2875 2825,2935 v2(2893.35,2935) ; v2(4135,1595) 4135,1475 ; v1(4540,1880) 4135,1475
  Bottom Layer w30: C10.1@2130,2155 v3(2125,2150) 2369.45,2150 U5.3
VCC_24V: D1.1 P1.7 | length 189.5
  Bottom Layer w30: D1.1@1630,2906.03 1751.93,3027.96 P1.7
VCC_ADC: R27.1 R28.1 U2.33 | length 1824.6
  Top Layer w10: v1(3575,2375) 3525,2325 3525,2260 3555,2230 R28.1@4980,2230 ; R27.1 R28.1
  Bottom Layer w10: v1(3575,2375) 3578.43,2378.43 U2.33
VCC_T: J5.2 R27.2 | length 170
  Top Layer w10: R27.2 J5.2
pads on no net: J3.0 J5.3 J5.4 J6.0 J6.1 J6.7 J7.0 P1.13 P1.14 U1.3 U1.11 U2.1 U2.2 U2.3 U2.4 U2.5 U2.6 U2.7 U2.15 U2.16 U2.17 U2.18 U2.29 U2.30 U2.34 U2.39 U2.41 U2.43 U2.45 U2.47 U2.53 U2.54 U2.55 U2.56 U2.57 U2.58 U2.59 U2.60 U2.61 U2.62 U2.63 U2.64 U2.65 U2.66 U2.73 U2.77 U2.78 U2.79 U2.80 U2.81 U2.82 U2.83 U2.85 U2.86 U2.88 U2.89 U2.90 U2.91 U2.97 U2.98 U4.3 U4.11 U9.3 U9.17

## Polygon pours and split planes (outlines as drawn)
GND_D on Top Layer "Top Layer-No Net" (solid, remove dead copper, pour order 2): 1243.3,4288.56 1343.3,4188.56 6723.3,4188.56 6723.3,403.56 6323.3,3.56 6208.3,118.56 413.3,118.56
GND_D on Bottom Layer "Top Layer-No Net" (solid, remove dead copper, pour order 4): 2012.6,477.4 7152.6,477.4 7507.6,832.4 6957.6,1382.4 6957.6,4632.4 817.6,4632.4 797.6,4652.4 662.6,4517.4 662.6,647.4

## Keep-outs
Keep-Out Layer:
  lines w10: -1130,3505 -860,3235 ; 1510,1550 1780,1280 5005,1280 5670,1945 5670,3630 5520,3780 1600,3780 1510,3690 1510,1550

## Silkscreen, mask and mechanical layers (free items; w line width, h text height)
Top Overlay:
  text "CAN_H" at 2260,3030 h40
  text "VCC" at 1560,3020 h40
  text "CAN_L" at 2315,2895 h40
  text "GND" at 1560,2880 h40
  text "GND_T" at 5115,2340 h40
  text "VCC_T" at 5145,1955 h40

## Dimensions
1780,1280 to 1570,3780 on Keep-Out Layer
5670,1945 to 1510,1550 on Mechanical 1

## Text inside footprints (layer, text, board x,y; h text height)
J3: Bottom Overlay "^" at 1555,2100 h100 r270
J6: Bottom Overlay "^" at 3425,1295 h100
J7: Bottom Overlay "^" at 5245,3065 h100 r270
P1: Top Overlay "JAE MX34_12" at 2215,3500 h43.31 r180
U1: Top Overlay "SO14" at 3075,1800 h22.05 r90
U3: Top Overlay "OUT" at 1835,1900 h42
U4: Top Overlay "SO14" at 4243.61,1796.31 h22.05 r90